# Altium PCB XInC2 Dev - PCB v2.0 20210410.PcbDoc (part 1 of 2) (continued)
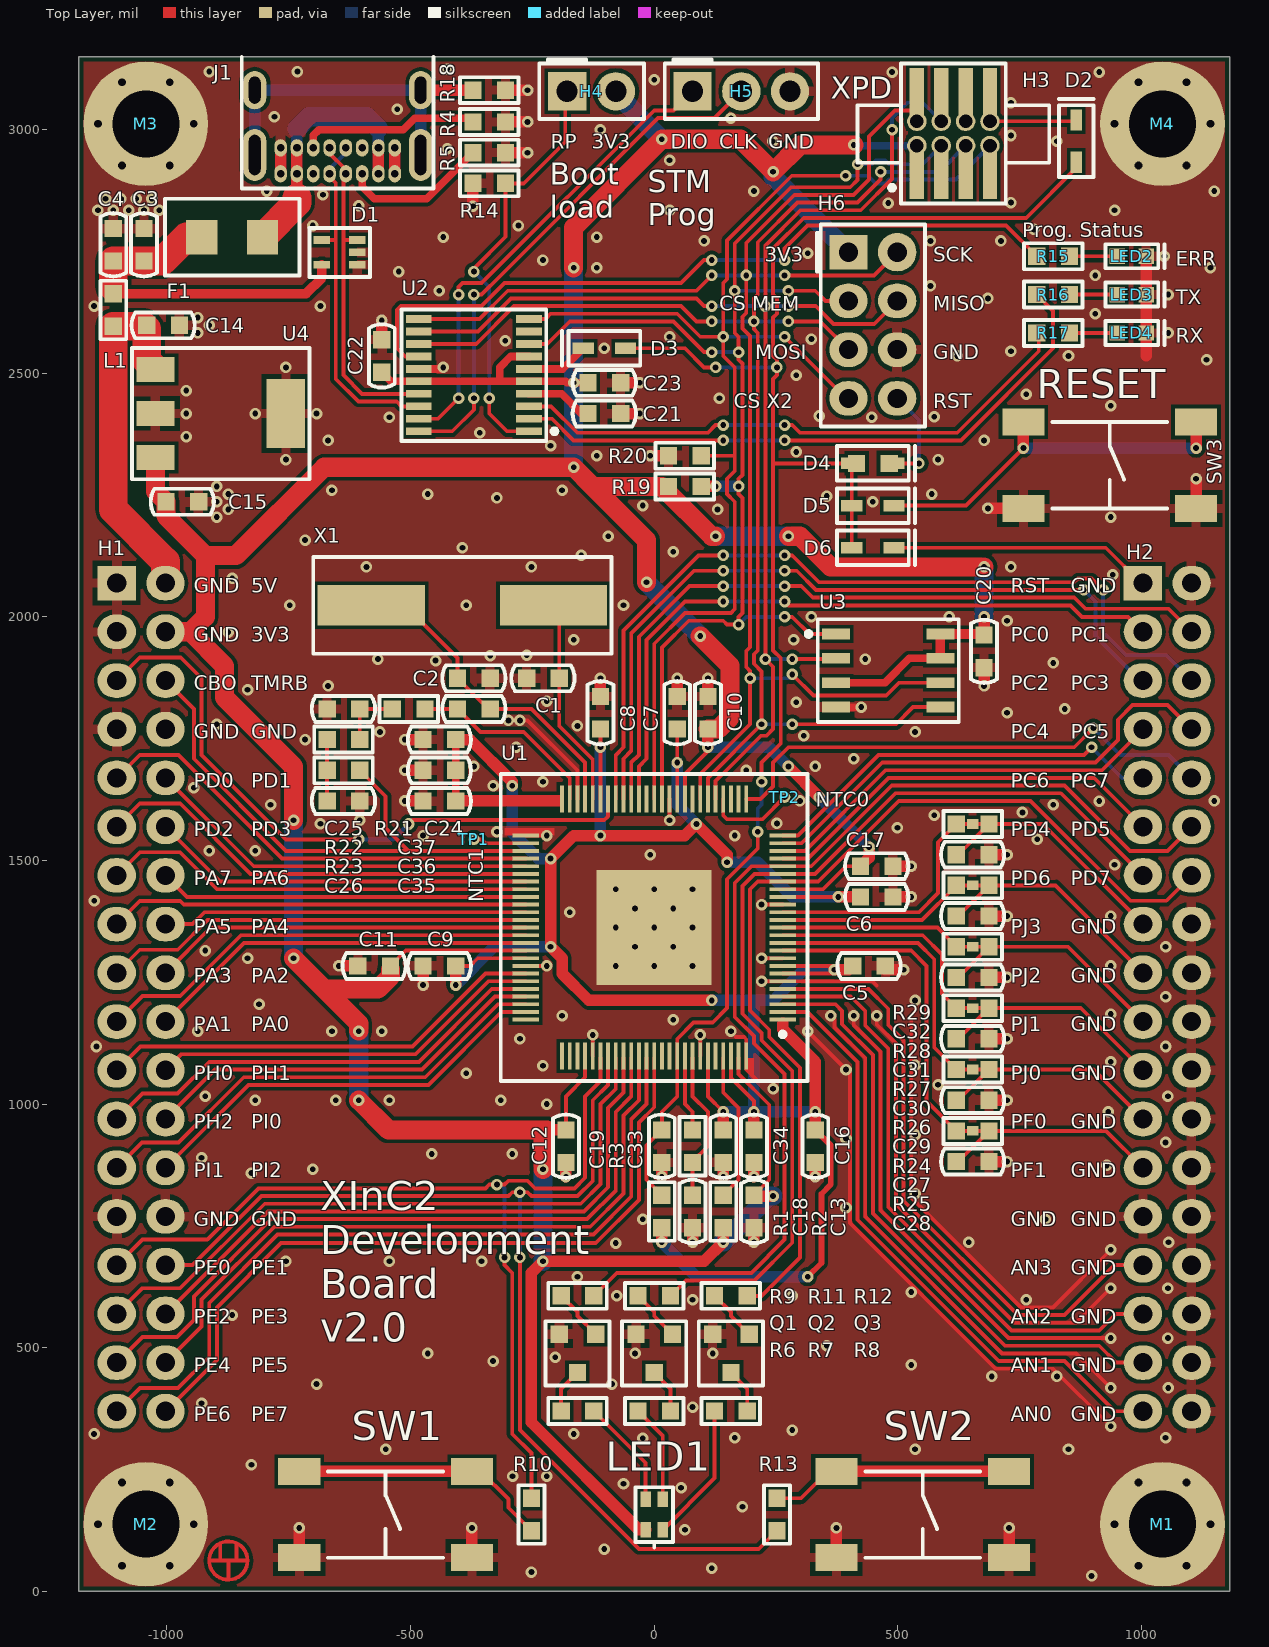
[diagram p0: Top Layer view]
## Footprints (in the part's own frame and the unit in brackets; to place one, negate y for a bottom-side part, rotate by r counter-clockwise, add the part's x,y. Pads: shape width x height; smd on the part's side, far side on the other; paste and mask are expansions set on the pad) (continued)

## Part data
C1: library part "C - 0603 - 33pF - 16V_1", "CAP CER 33PF 50V C0G/NPO 0603", Op Temp="-55°C ~ 125°C", Package=0603, Temp Coeff=NP0, Tolerance=±5%, Voltage - Rated=50V, Composition=Ceramic, Digi-Key PN=311-1064-1-ND, Height="0.9 mm", MFG=Yageo, MFG PN=CC0603JRNPO9BN330, Mounting Type="Surface Mount, MLCC", Price/1 @10=$0.058, Series=CC
C2: library part "C - 0603 - 8.2pF - 50V", "CAP CER 8.2PF 50V NPO 0603", Op Temp="-55°C ~ 125°C", Package=0603, Temp Coeff=NP0, Tolerance=±0.25pF, Voltage - Rated=50V, Composition=Ceramic, Digi-Key PN=311-3865-1-ND, Height=0.90mm, MFG=Yageo, MFG PN=CC0603CRNPO9BN8R2, Mounting Type="Surface Mount, MLCC", Price/1 @10=$0.084, Series=CC
C3 C22: library part "C - 0603 - 10nF - 50V", "CAP CER 10000PF 50V X7R 0603", Op Temp="-55°C ~ 125°C", Package=0603, Temp Coeff=X7R, Tolerance=±5%, Voltage - Rated=50V, Composition=Ceramic, Digi-Key PN=311-1778-1-ND, Height=0.90mm, MFG=Yageo, MFG PN=CC0603JRX7R9BB103, Mounting Type="Surface Mount, MLCC", Price/1 @10=$0.072, Series=CC, Size="1.60mm x 0.80mm"
C4 C5 C6 C7 C8 C9 C10 C11 C12 C13 C16 C17 C19 C20 C21 C23 C33 C34 C36: library part "C - 0603 - 100nF - 16V", "CAP CER 0.1UF 16V X7R 0603", Op Temp="-55°C ~ 125°C", Package=0603, Temp Coeff=X7R, Tolerance=±10%, Voltage - Rated=16V, Composition=Ceramic, Digi-Key PN=311-1088-1-ND, Height="0.9 mm", MFG=Yageo, MFG PN=CC0603KRX7R7BB104, Mounting Type="Surface Mount, MLCC", Price/1 @10=$0.064, Series=CC
C14 C15: library part "C - 0603 - 4.7uF - 10V", "CAP CER 4.7UF 10V X5R 0603", Op Temp="-55°C ~ 85°C", Package=0603, Temp Coeff=X5R, Tolerance=±20%, Voltage - Rated=10V, Composition=Ceramic, Digi-Key PN=311-1820-1-ND, Height=0.90mm, MFG=Yageo, MFG PN=CC0603MRX5R6BB475, Mounting Type="Surface Mount, MLCC", Price/1 @10=$0.172, Series=CC
C18: library part "C - 0603 - 680pF - 50V", "CAP CER 680PF 50V X7R 0603", Op Temp="-55°C ~ 125°C", Package=0603, Temp Coeff=X7R, Tolerance=±10%, Voltage - Rated=50V, Composition=ceramic, Digi-Key PN=311-1188-1-ND, Height=0.90mm, MFG=Yageo, MFG PN=CC0603KRX7R9BB681, Mounting Type="Surface Mount, MLCC", Price/1 @10=$0.062, Series=CC
C24 C25 C26 C27 C28 C29 C30 C31 C32 C35 C37: library part "C - 0603 - DNP", "DNP C 0603", Package=0603, Digi-Key PN=-, MFG=-, MFG PN=-, Mounting Type=SMT
D1: library part "TVS - USB - RCLAMP0503F", "TVS DIODE 5V 25V SC70-5", Capacitance @ Frequency="3pF @ 1MHz", Current - Peak Pulse (10/1000µs)="6A (8/20µs)", Op Temp="-55°C ~ 125°C (TJ)", Package="5-TSSOP, SC-70-5, SOT-353", Power - Peak Pulse=150W, Power Line Protection=Yes, Voltage - Breakdown (Min)=6V, Voltage - Clamping (Max) @ Ipp=25V, Voltage - Reverse Standoff (Typ)="5V (Max)", Applications="USB OTG", ComponentLink1Description=Datasheet, ComponentLink1URL="E:\!Projects\50. XInC2 Dev 2\git\Datasheets\Semtech - RClamp0503F.pdf", ComponentLink2Description="Online Datasheet", ComponentLink2URL=https://semtech.my.salesforce.com/sfc/p/#E0000000JelG/a/44000000MCna/gSoiWcGuNPdCJXQ9MiJb.gsVfITyRqZHeVmym5XjXO8, Digi-Key PN=RCLAMP0503F.TCTCT-ND, MFG="Semtech Corp", MFG PN=RCLAMP0503F.TCT, Mounting Type="Surface Mount", Series=RailClamp, Type="Steering (Rail to Rail)", Unidirectional Channels=3
D2 D3 D4 D5 D6: library part "D - BAT46JFILM", "DIODE SCHOTTKY 100V 150MA SOD323", Capacitance @ Vr, F="10pF @ 0V, 1MHz", Current - Average Rectified (Io)="150mA (DC)", Current - Reverse Leakage @ Vr="5µA @ 75V", Op Temp="150°C (Max)", Package=SOD-323, Voltage - DC Reverse (Vr) (Max)=100V, Voltage - Forward (Vf) (Max) @ If="450mV @ 10mA", ComponentLink1Description=Datasheet, ComponentLink1URL="E:\!Projects\50. XInC2 Dev 2\git\Datasheets\ST - BAT46.pdf", ComponentLink2Description="Online Datasheet", ComponentLink2URL=https://www.st.com/content/ccc/resource/technical/document/datasheet/c6/32/d4/4a/28/d3/4b/11/CD00004930.pdf/files/CD00004930.pdf/jcr:content/translations/en.CD00004930.pdf, Digi-Key PN=497-6653-1-ND, Diode Type=Schottky, MFG=ST, MFG PN=BAT46JFILM, Mounting Type="Surface Mount", Price/1 @10=$0.231, Series=-, Speed="Small Signal =< 200mA (Io), Any Speed"
F1: library part "Fuse - 1.5A slow", "FUSE 1.5A 63VAC/DC SLOW 1206", Breaking Capacity @ Rated Voltage=50A, Current Rating (Amps)=1.5A, DC Cold Resistance="0.205 Ohms", Op Temp="-55°C ~ 125°C", Package=1206, Voltage Rating - AC=63V, Approval Agency="AEC-Q200, CE, cURus", ComponentLink1Description=Datasheet, ComponentLink1URL="E:\!Projects\50. XInC2 Dev 2\git\Datasheets\Bel Fuse - Type C1T.pdf", ComponentLink2Description="Online Datasheet", ComponentLink2URL=https://belfuse.com/resources/datasheets/circuitprotection/ds-cp-c1t-series.pdf, Digi-Key PN=507-1893-1-ND, Fuse Type="Board Mount (Cartridge Style Excluded)", Melting I²t=0.23, MFG="Bel Fuse Inc.", MFG PN=0685T1500-01, Mounting Type="Surface Mount", Price/1 @10=$0.342, Response Time="Slow Blow", Series=C1T, Voltage Rating - DC=63V
H1 H2: library part "H - 100mil - Stack - 2x18", "CONN RCPT 36POS 0.1 TIN PCB", Current Rating (Amps)="6.3A per Contact", Insulation Color=Black, Material Flammability Rating="UL94 V-0", Op Temp="-55°C ~ 105°C", Voltage Rating=550VAC, ComponentLink1Description=Datasheet, ComponentLink1URL="E:\!Projects\50. XInC2 Dev 2\git\Datasheets\Samtec - SSQ Series Headers.pdf", ComponentLink2Description="Online Datasheet", ComponentLink2URL=http://suddendocs.samtec.com/catalog_english/ssq_th.pdf, Connector Type=Receptacle, Contact Finish - Mating=Tin, Contact Finish - Post=Tin, Contact Length - Post=10.00mm, Contact Shape=Square, Contact Type=Forked, Digi-Key PN=SAM1204-18-ND, Fastening Type=Push-Pull, Insulation Height=8.51mm, Insulation Material="Liquid Crystal Polymer (LCP)", MFG=Samtec, MFG PN=SSQ-118-03-T-D, Mounting Type="Thorugh Hole", Number of Positions=36, Number of Positions Loaded=All, Number of Rows=2, Pitch - Mating="0.100\"", Price/1 @10=$4.718, Row Spacing - Mating="0.100\"", Series=SSQ, Style="Board to Board or Cable", Termination=Solder
H3: library part "H - XPD - SMT", "CONN HEADER SMD 8POS 1.27MM", Current Rating (Amps)="3.4A per Contact", Insulation Color=Black, Material Flammability Rating="UL94 V-0", Op Temp="-55°C ~ 125°C", ComponentLink1Description=Datasheet, ComponentLink1URL="E:\!Projects\50. XInC2 Dev 2\git\Datasheets\Samtec - FTS series.pdf", ComponentLink2Description="Online Datasheet", ComponentLink2URL=http://suddendocs.samtec.com/catalog_english/fts.pdf, Connector Type="Header, Cuttable", Contact Finish - Mating=Gold, Contact Length - Mating="0.120\"\" (3.05mm)", Contact Shape=Square, Contact Type="Male Pin", Digi-Key PN=SAM1157-04-ND, Fastening Type=Push-Pull, Height=4.32mm, Insulation Height="0.034\"\" (0.86mm)", Insulation Material="Liquid Crystal Polymer (LCP)", MFG="Samtec Inc.", MFG PN=FTS-104-01-L-DV, Mounting Type="Surface Mount", Number of Positions=8, Number of Rows=2, Pitch - Mating="0.050\"\" (1.27mm)", Price/1 @10=$1.616, Row Spacing - Mating="0.050\"\" (1.27mm)", Series=FTS, Shrouding=Unshrouded, Termination=Solder
H4: "CONN HEADER VERT 2POS 2.54MM", Purpose="Bootloader Select"
H5: "CONN HEADER VERT 3POS 2.54MM", Purpose=SWD
J1: library part "Jack - USB C - USB4085", "CONN RCPT USB2.0 TYPEC 16POS", Current Rating (Amps)="0.25A, 1.25A, 3A, 4.25A", Insulation Color=Black, Material Flammability Rating="UL94 V-0", Op Temp="-40°C ~ 85°C", Voltage - Rated=20VDC, ComponentLink1Description=Datasheet, ComponentLink1URL="E:\!Projects\50. XInC2 Dev 2\git\Datasheets\GCT - USB4085.pdf", ComponentLink2Description="Online Datasheet", ComponentLink2URL=https://gct.co/files/drawings/usb4085.pdf, Connector Type="USB-C (USB TYPE-C)", Contact Finish=Gold, Digi-Key PN=2073-USB4085-GF-ACT-ND, Gender=Receptacle, Height=3.46mm, Mating Cycles=10000, MFG=GCT, MFG PN=USB4085-GF-A, Mounting Feature=Horizontal, Mounting Type="Through Hole, Right Angle", Number of Contacts="24 (16+8 Dummy)", Number of Ports=1, Price/1 @10=$1.629, Series=USB4085, Shell/Shielding Material="Steel, Stainless", Shielding=Shielded, Specifications="USB 2.0"
L1: library part "Ferrite - 0603 - 33 ohm", "FERRITE BEAD 33 OHM 0603 1LN", Current Rating (Max)=3A, DC Resistance (DCR) (Max)=25mOhm, Impedance @ Frequency="33 Ohms @ 100MHz", Op Temp="-55°C ~ 85°C", Package=0603, Digi-Key PN=587-1926-1-ND, Filter Type="Power Line", Height=0.95mm, MFG="Taiyo Yuden", MFG PN=BKP1608HS330-T, Mounting Type="Surface Mount", Number of Lines=1, Price/1 @10=$0.10, Series=BK, Size="1.60mm x 0.80mm"
LED1: library part "LED - RGB", "LED RGB CLEAR 4SMD", Current - Test="5mA Red, 5mA Green, 5mA Blue", Lens Color=Colorless, Millicandela Rating=-, Package=0606, Voltage - Forward (Vf) (Typ)="1.8V Red, 2.8V Green, 2.8V Blue", Color=RGB, ComponentLink1Description=Datasheet, ComponentLink1URL="E:\!Projects\50. XInC2 Dev 2\git\Datasheets\Everlight - EAST1616RGBB4.PDF", ComponentLink2Description="Online Datasheet", ComponentLink2URL=https://everlightamericas.com/index.php?controller=attachment&id_attachment=2827, Digi-Key PN=1080-1552-1-ND, Height=0.45mm, Lens Size="1.60mm x 1.10mm", Lens Style="Rectangle with Flat Top", Lens Transparency=Clear, MFG="Everlight Electronics", MFG PN=EAST1616RGBB4, Mounting Type="Surface Mount", Price/1 @10=$0.415, Size="1.60mm L x 1.60mm W", Viewing Angle=120°, Wavelength - Dominant=-, Wavelength - Peak="632nm Red, 518nm Green, 468nm Blue"
LED2: library part "LED - Red", "LED RED CLEAR CHIP SMD", Current - Test=20mA, Lens Color=Colorless, Millicandela Rating=99mcd, Package=0603, Voltage - Forward (Vf) (Typ)=2V, Color=Red, ComponentLink1Description=Datasheet, ComponentLink1URL="E:\!Projects\50. XInC2 Dev 2\git\Datasheets\Lite-On - Red - LTST-C190KRKT.pdf", ComponentLink2Description="Online Datasheet", ComponentLink2URL=https://optoelectronics.liteon.com/upload/download/DS-22-99-0151/LTST-C190KRKT.pdf, Digi-Key PN=160-1436-1-ND, Height=0.90mm, Lens Size="1.10mm x 0.80mm", Lens Style="Rectangle with Flat Top", Lens Transparency=Clear, MFG="Lite-On Inc.", MFG PN=LTST-C190KRKT, Mounting Type="Surface Mount", Price/1 @10=$0.183, Purpose=Error, Size="1.60mm L x 0.80mm W", Viewing Angle=130°, Wavelength - Dominant=631nm, Wavelength - Peak=639nm
LED3: library part "LED - Green", "LED GREEN CLEAR CHIP SMD", Current - Test=20mA, Lens Color=Colorless, Millicandela Rating=35mcd, Package=0603, Voltage - Forward (Vf) (Typ)=2V, Color=Green, ComponentLink1Description=Datasheet, ComponentLink1URL="E:\!Projects\50. XInC2 Dev 2\git\Datasheets\Lite-On - Green - LTST-C190KGKT.pdf", ComponentLink2Description="Online Datasheet", ComponentLink2URL=https://optoelectronics.liteon.com/upload/download/DS22-2000-074/LTST-C190KGKT.PDF, Digi-Key PN=160-1435-1-ND, Height=0.90mm, Lens Size="1.10mm x 0.80mm", Lens Style="Rectangle with Flat Top", Lens Transparency=Clear, MFG="Lite-On Inc.", MFG PN=LTST-C190KGKT, Mounting Type="Surface Mount", Price/1 @10=$0.183, Purpose=TX, Size="1.60mm L x 0.80mm W", Viewing Angle=130°, Wavelength - Dominant=571nm, Wavelength - Peak=574nm
LED4: library part "LED - Blue", "LED BLUE CLEAR CHIP SMD", Current - Test=20mA, Lens Color=Colorless, Millicandela Rating=104mcd, Package=0603, Voltage - Forward (Vf) (Typ)=3.3V, Color=Blue, ComponentLink1Description=Online, ComponentLink1URL="E:\!Projects\50. XInC2 Dev 2\git\Datasheets\Lite-On - Blue - LTST-C190TBKT.PDF", ComponentLink2Description="Online Datasheet", ComponentLink2URL=https://optoelectronics.liteon.com/upload/download/DS-22-99-0224/LTST-C190TBKT.PDF, Digi-Key PN=160-1646-1-ND, Height=0.90mm, Lens Size="1.10mm x 0.80mm", Lens Style="Rectangle with Flat Top", Lens Transparency=Clear, MFG="Lite-On Inc.", MFG PN=LTST-C190TBKT, Mounting Type="Surface Mount", Price/1 @10=$0.378, Purpose=RX, Size="1.60mm L x 0.80mm W", Viewing Angle=130°, Wavelength - Dominant=470nm, Wavelength - Peak=468nm
Q1 Q2 Q3: library part "Q - NPN - MMBT3904", "TRANS NPN 40V 0.2A SOT23", Current - Collector (Ic) (Max)=200mA, Current - Collector Cutoff (Max)="50nA (ICBO)", DC Current Gain (hFE) (Min) @ Ic, Vce="100 @ 10mA, 1V", Frequency - Transition=300MHz, Op Temp="-55°C ~ 150°C (TJ)", Package="SOT-23, TO-236-3, SC-59, SOT-23-3", Power - Max=350mW, Voltage - Collector Emitter Breakdown (Max)=40V, ComponentLink1Description=Datasheet, ComponentLink1URL="E:\!Projects\50. XInC2 Dev 2\git\Datasheets\MCC - MMBT3904.pdf", ComponentLink2Description="Online Datasheet", ComponentLink2URL=https://www.mccsemi.com/pdf/Products/MMBT3904(SOT-23).pdf, Digi-Key PN=MMBT3904TPMSCT-ND, MFG="Micro Commercial", MFG PN=MMBT3904-TP, Mounting Type="Surface Mount", Price/1 @10=$0.087, Transistor Type=NPN, Vce Saturation (Max) @ Ib, Ic="300mV @ 5mA, 50mA"
R1 R19: library part "R - 0603 - 10k", "RES SMD 10K OHM 5% 1/10W 0603", Op Temp="-55°C ~ 155°C", Package=0603, Power=0.1W, Temp Coeff=±100ppm/°C, Tolerance=5%, ComponentLink1Description=Datasheet, ComponentLink1URL="E:\!Projects\50. XInC2 Dev 2\git\Datasheets\Yageo - RC series.pdf", ComponentLink2Description="Online Datasheet", ComponentLink2URL=https://www.yageo.com/upload/media/product/productsearch/datasheet/rchip/PYu-RC_Group_51_RoHS_L_11.pdf, Composition="Thick Film", Digi-Key PN=311-10KGRCT-ND, Height=0.55mm, MFG=Yageo, MFG PN=RC0603JR-0710KL, Mounting Type="Surface Mount", Price/1 @10=$0.017, Series=RC
R2 R3: library part "R - 0603 - 51k", "RES SMD 51K OHM 5% 1/10W 0603", Op Temp="-55°C ~ 155°C", Package=0603, Power=0.1W, Temp Coeff=±100ppm/°C, Tolerance=5%, ComponentLink1Description=Datasheet, ComponentLink1URL="E:\!Projects\50. XInC2 Dev 2\git\Datasheets\Yageo - RC series.pdf", ComponentLink2Description="Online Datasheet", ComponentLink2URL=https://www.yageo.com/upload/media/product/productsearch/datasheet/rchip/PYu-RC_Group_51_RoHS_L_11.pdf, Composition="Thick Film", Digi-Key PN=311-51KGRCT-ND, Height=0.55mm, MFG=Yageo, MFG PN=RC0603JR-0751KL, Mounting Type="Surface Mount", Price/1 @10=$0.025, Series=RC
R4 R5: library part "R - 0603 - 5.1k", "RES SMD 5.1K OHM 5% 1/10W 0603", Op Temp="-55°C ~ 155°C", Package=0603, Power=0.1W, Temp Coeff=±100ppm/°C, Tolerance=5%, ComponentLink1Description=Datasheet, ComponentLink1URL="E:\!Projects\50. XInC2 Dev 2\git\Datasheets\Yageo - RC series.pdf", ComponentLink2Description="Online Datasheet", ComponentLink2URL=https://www.yageo.com/upload/media/product/productsearch/datasheet/rchip/PYu-RC_Group_51_RoHS_L_11.pdf, Composition="Thick Film", Digi-Key PN=311-5.1KGRCT-ND, Height=0.55mm, MFG=Yageo, MFG PN=RC0603JR-075K1L, Mounting Type="Surface Mount", Price/1 @10=$0.02500, Series=RC
R6 R7 R8 R15 R16 R17: library part "R - 0603 - 100R", "RES SMD 100 OHM 5% 1/10W 0603", Op Temp="-55°C ~ 155°C", Package=0603, Power=0.1W, Temp Coeff=±100ppm/°C, Tolerance=5%, ComponentLink1Description=Datasheet, ComponentLink1URL="E:\!Projects\50. XInC2 Dev 2\git\Datasheets\Yageo - RC series.pdf", ComponentLink2Description="Online Datasheet", ComponentLink2URL=https://www.yageo.com/upload/media/product/productsearch/datasheet/rchip/PYu-RC_Group_51_RoHS_L_11.pdf, Composition="Thick Film", Digi-Key PN=311-100GRCT-ND, Height=0.55mm, MFG=Yageo, MFG PN=RC0603JR-07100RL, Mounting Type="Surface Mount", Price/1 @10=$0.02500, Series=RC
R9 R10 R11 R12 R13 R14: library part "R - 0603 - 1k", "RES SMD 1K OHM 5% 1/10W 0603", Op Temp="-55°C ~ 155°C", Package=0603, Power=0.1W, Temp Coeff=±100ppm/°C, Tolerance=5%, ComponentLink1Description=Datasheet, ComponentLink1URL="E:\!Projects\50. XInC2 Dev 2\git\Datasheets\Yageo - RC series.pdf", ComponentLink2Description="Online Datasheet", ComponentLink2URL=https://www.yageo.com/upload/media/product/productsearch/datasheet/rchip/PYu-RC_Group_51_RoHS_L_11.pdf, Composition="Thick Film", Digi-Key PN=311-1.0KGRCT-ND, Height=0.55mm, MFG=Yageo, MFG PN=RC0603JR-071KL, Mounting Type="Surface Mount", Price/1 @10=$0.02500, Series=RC
R18: library part "Jumper - 0603", "RES SMD 0 OHM JUMPER 1/10W 0603", Op Temp="-55°C ~ 155°C", Package=0603, Power=0.1W, Temp Coeff=-, Tolerance=Jumper, Composition="Thick Film", Digi-Key PN=311-0.0GRCT-ND, Height=0.55mm, MFG=Yageo, MFG PN=RC0603JR-070RL, Mounting Type="Surface Mount", Price/1 @10=$0.025, Series=RC
R20: library part "R - 0603 - 100k", "RES SMD 100K OHM 5% 1/10W 0603", Op Temp="-55°C ~ 155°C", Package=0603, Power=0.1W, Temp Coeff=±100ppm/°C, Tolerance=5%, ComponentLink1Description=Datasheet, ComponentLink1URL="E:\!Projects\50. XInC2 Dev 2\git\Datasheets\Yageo - RC series.pdf", ComponentLink2Description="Online Datasheet", ComponentLink2URL=https://www.yageo.com/upload/media/product/productsearch/datasheet/rchip/PYu-RC_Group_51_RoHS_L_11.pdf, Composition="Thick Film", Digi-Key PN=311-100KGRCT-ND, Height=0.55mm, MFG=Yageo, MFG PN=RC0603JR-07100KL, Mounting Type="Surface Mount", Price/1 @10=$0.025, Series=RC
R21 R22 R23: library part "R - 0603 - DNP", "DNP R 0603", Package=0603, Digi-Key PN=-, MFG=-, MFG PN=-, Mounting Type=SMT
R24 R25 R26 R27 R28 R29: library part "Jumper - 0603 - Shorted", "DNP: 0603 Resistor with the pads shorted", Op Temp="-55°C ~ 155°C", Package=0603, Power=0.1W, Temp Coeff=-, Tolerance=Jumper, Composition="Thick Film", Digi-Key PN=311-0.0GRCT-ND, Height=0.55mm, MFG=Yageo, MFG PN=RC0603JR-070RL, Mounting Type="Surface Mount", Price/1 @10=$0.025, Series=RC
SW1 SW2 SW3: library part "SW - Tactile - HP0315AFKP2-R", "SWITCH TACTILE SPST-NO 3VA 28V", Contact Rating @ Voltage="3VA @ 28VDC", Operating Force=160gf, Op Temp="-20°C ~ 70°C", Actuator Height off PCB, Vertical=4.40mm, Actuator Material="Polyamide (PA), Nylon, Glass Filled", Actuator Orientation="Top Actuated", Actuator Type=Standard, Circuit=SPST-NO, ComponentLink1Description=Datasheet, ComponentLink1URL="E:\!Projects\50. XInC2 Dev 2\git\Datasheets\NKK Switches - HP03 Switches.pdf", ComponentLink2Description="Online Datasheet", ComponentLink2URL=https://www.nkkswitches.com/pdf/HP03-2.pdf, Digi-Key PN=360-2595-1-ND, Features="Sealed - Flux Protection", Illumination=Non-Illuminated, Mechanical Life="500,000 Cycles", MFG="NKK Switches", MFG PN=HP0315AFKP2-R, Mounting Type="Surface Mount", Outline="6.20mm x 6.20mm", Price/1 @10=$0.78, Series=HP03, Switch Function=Off-Mom, Switch Travel=0.20mm, Termination Style="Gull Wing"
  SW1: Purpose="User SW 1"
  SW2: Purpose="User SW 2"
  SW3: Purpose=Reset
TP1 TP2: library part "TP - TH - 0.6 mm"
U1: library part "uC - XInC2 - LQFP", "XInC2 Multi-Threaded µC LQFP", Digi-Key PN=N/A, MFG="Eleven Engineering", MFG PN=XC1201-R3003
U2: library part "uC - STM32F042F4P6", "IC MCU 32BIT 16KB FLASH 20TSSOP", Op Temp="-40°C ~ 85°C (TA)", Package="20-TSSOP (0.173\"\", 4.40mm Width)", Voltage - Supply (Vcc/Vdd)="1.65V ~ 3.6V", ComponentLink1Description=Datasheet, ComponentLink1URL="E:\!Projects\50. XInC2 Dev 2\git\Datasheets\ST - STM32F042F4P6.pdf", ComponentLink2Description="Online Datasheet", ComponentLink2URL=https://www.st.com/content/ccc/resource/technical/document/datasheet/52/ad/d0/80/e6/be/40/ad/DM00105814.pdf/files/DM00105814.pdf/jcr:content/translations/en.DM00105814.pdf, Connectivity="CANbus, HDMI-CEC, I²C, IrDA, LINbus, SPI, UART/USART, USB", Core Processor="ARM® Cortex®-M0", Core Size=32-Bit, Data Converters="A/D 12x12b", Digi-Key PN=497-17343-ND, Height="1.2 mm", MFG=ST, MFG PN=STM32F042F4P6, Mounting Type="Surface Mount", Number of I/O=16, Peripherals="DMA, I²S, POR, PWM, WDT", Price/1 @10=$3.667, Program Memory Size="16KB (16K x 8)", Program Memory Type=FLASH, RAM Size="6K x 8", Series=STM32F0, Speed=48MHz
U3: library part "Mem - Flash - 2 MBit - W25Q20CL", "IC FLASH 2MBIT SPI 104MHZ 8SOIC", Clock Frequency=104MHz, Op Temp="-40°C ~ 85°C (TA)", Package="8-SOIC (0.154\"\", 3.90mm Width)", Voltage - Supply="2.3V ~ 3.6V", ComponentLink1Description=Datasheet, ComponentLink1URL="E:\!Projects\50. XInC2 Dev 2\git\Datasheets\Winbond - W25Q20CLA.pdf", ComponentLink2Description="Online Datasheet", ComponentLink2URL=https://www.winbond.com/resource-files/da00-w25q20cla1.pdf, Digi-Key PN=W25Q20CLSNIG-ND, Memory Interface=SPI, Memory Size="2Mb (256K x 8)", Memory Type=Non-Volatile, MFG="Winbond Electronics", MFG PN=W25Q20CLSNIG, Mounting Type="Surface Mount", Price/1 @10=$0.497, Series=SpiFlash, Technology="FLASH - NOR", Write Cycle Time - Word, Page=800µs
U4: library part "Reg - Lin - 3.3V - AP2114", "IC REG LINEAR 3.3V 1A SOT223", Current - Output=1A, Current - Quiescent (Iq)=90µA, Op Temp="-40°C ~ 85°C", Package="TO-261-4, TO-261AA, SOT-223", Voltage - Input (Max)=6V, Voltage - Output (Max)=-, Voltage - Output (Min/Fixed)=3.3V, Voltage Dropout (Max)="0.75V @ 1A", ComponentLink1Description=Datasheet, ComponentLink1URL="E:\!Projects\50. XInC2 Dev 2\git\Datasheets\BCD - AP2114.pdf", ComponentLink2Description="Online Datasheet", ComponentLink2URL=https://www.diodes.com/assets/Datasheets/AP2114.pdf, Digi-Key PN=AP2114HA-3.3TRG1DICT-ND, Height="1.8 mm", MFG="Diodes Inc", MFG PN=AP2114HA-3.3TRG1, Mounting Type="Surface Mount", Number of Regulators=1, Output Configuration=Positive, Output Type=Fixed, Price/1 @10=$0.444, Protection Features="Over Current, Over Temperature", PSRR="65dB (100Hz ~ 1kHz)"
X1: library part "X - 20 MHz - HJ24.576", "CRYSTAL 24.576MHZ SMD", Frequency Stability="±10PPM Max. / -20°C~+70°C", Frequency Tolerance=±10PPM, Load Capacitance=20pF, Operating Mode="Fund (AT Cut)", Op Temp="-20°C - +70°C", Package=HC-49, ComponentLink1Description=Datasheet, ComponentLink1URL="E:\!Projects\50. XInC2 Dev 2\git\Datasheets\Huijing - 49SMD 24.576MHz.pdf", Digi-Key PN=N/A, ESR="50O Max./Series", Frequency=24.576MHz, Height=4mm, MFG=Huijing, MFG PN=N/A, Mounting Type="Surface Mount", Price/1 @10=-, Series=-, Type="MHz Crystal"
H6: Purpose="XPD Monitor"

## Via types
v1: diameter 23.62, hole 11.81, Top Layer to Bottom Layer, tented both sides, 446 vias

## Nets (pads, with @x,y where several pads share a name; then routed paths per layer and width w, separated by ;. In a path a pad name is that pad's centre, name@x,y a point inside that pad or via, vN(x,y) a via of type N, cw(c..) or ccw(c..) an arc to the next point about the centre after c; other vN are vias at no path point)
1V8: C5.1 C6.1 C7.1 C8.1 C9.1 C16.1 C33.1 C34.1 C35.1 C36.1 C37.1 R1.2 U1.1 U1.7 U1.8 U1.17 U1.35 U1.45 U1.50 U1.67 U1.95 U1.98 | length 5360.6
  Top Layer w7.87: C9.1@-407.48,1283.46 -377.95,1283.46 -362.2,1299.21 U1.67@-263.78,1299.21 ; U1.45@-110.24,1625.98 v1(-110.24,1732.28) C8.1@-110.24,1769.69 ; U1.35@47.24,1625.98 v1(47.24,1700.79) C7.1@47.24,1769.69 ; U1.95@110.24,1094.49 110.24,1015.75 v1(141.73,984.25) ; C33.1@141.73,954.72 C33.1@147.64,948.82 ; U1.98@157.48,1094.49 157.48,1053.15 204.72,1005.91 v1(204.72,984.25) ; C34.1@204.72,960.63 C34.1@216.54,948.82 ; U1.7@263.78,1267.72 v1@370.08,1267.72 ; U1.8@263.78,1283.46 v1@370.08,1283.46 ; U1.17@263.78,1425.2 v1(377.95,1425.2)
  Top Layer w11.81: v1(314.96,645.67) 343.2,673.91 343.2,815.64 362.2,834.65 362.2,915.35 C16.1@330.71,946.85
  Top Layer w15.75: C35.1@-407.48,1622.05 C36.1@-407.48,1685.04 C37.1@-407.48,1748.03
  Top Layer w23.62: v1(-407.48,1244.09) C9.1@-407.48,1283.46 ; C35.1@-407.48,1622.05 -196.85,1622.05 ; C37.1@-407.48,1748.03 -377.95,1748.03 -291.34,1661.42 v1(-291.34,1653.54) ; v1(15.75,716.54) R1.2@15.75,746.06 ; v1(118.11,1212.6) -133.86,1212.6 -188.98,1267.72 -188.98,1299.21 v1(-212.6,1322.83) v1(-212.6,1503.94) -165.35,1551.18 v1(-110.24,1551.18) 62.99,1551.18 v1(86.61,1574.8) 149.61,1511.81 v1(149.61,1496.06) ; C33.1@141.73,954.72 v1(141.73,984.25) ; C34.1@204.72,960.63 v1(204.72,984.25) ; 263.78,1165.35 263.78,1153.54 330.71,1086.61 v1(330.71,984.25) C16.1@330.71,946.85 ; v1(370.08,1275.59) 399.61,1275.59 C5.1@403.54,1279.53 ; v1(377.95,1425.2) C6.1@423.23,1425.2
  Bottom Layer w23.62: v1(-407.48,1244.09) -328.74,1322.83 v1(-212.6,1322.83) ; v1(-291.34,1653.54) -291.34,1557.09 -238.19,1503.94 v1(-212.6,1503.94) ; v1(-110.24,1551.18) v1(-110.24,1732.28) ; v1(15.75,716.54) 86.61,645.67 v1(314.96,645.67) ; v1(47.24,1700.79) 47.24,1614.17 v1(86.61,1574.8) ; v1(118.11,1212.6) 204.72,1212.6 ; v1(141.73,984.25) v1(204.72,984.25) ; v1(149.61,1496.06) 212.6,1496.06 283.46,1425.2 v1(377.95,1425.2) ; v1(330.71,984.25) v1(204.72,984.25) ; v1(370.08,1275.59) 307.09,1275.59 244.09,1212.6 204.72,1212.6 ; v1(204.72,984.25) 204.72,1212.6
3V3: C10.1 C11.1 C12.1 C13.1 C15.1 C17.1 C20.1 C22.1 C23.1 H1.4 H3.1 H4.2 H6.1 LED1.4 R2.2 R19.2 U1.18 U1.34 U1.66 U1.79 U1.99 U2.5 U2.7 U2.16 U3.3 U3.7 U3.8 U4.3 | length 10436.3
  Top Layer w7.87: C11.1@-541.34,1283.46 -509.84,1314.96 U1.66@-263.78,1314.96 ; C12.1@-181.1,946.85 -181.1,1015.75 -141.73,1055.12 U1.79@-141.73,1094.49 ; U1.34@62.99,1625.98 62.99,1677.17 110.24,1724.41 v1(110.24,1732.28) ; U1.99@173.23,1094.49 173.23,1061.64 236.22,998.65 236.22,844.49 C13.1@204.72,812.99 ; U1.18@263.78,1440.94 346.46,1440.94 393.65,1488.14 C17.1@423.23,1488.19 C17.1@423.23,1488.19 ; C20.1@675,1964.76 C20.1@677.17,1962.6
  Top Layer w15.75: C22.1@-559.06,2501.97 -540.35,2483.27 U2.16@-483.27,2483.27 -316.93,2483.27 ; U2.7@-256.89,2534.45 -294.29,2534.45 -316.93,2511.81 -316.93,2483.27 ; C23.1@-135.83,2480.31 -179.19,2480.31 -182.14,2483.27 U2.5@-256.89,2483.27 -316.93,2483.27 ; U3.3@373.07,1864.76 473.82,1864.76 523.82,1914.76 U3.7@587.57,1914.76
  Top Layer w19.68: U3.7@587.57,1914.76 U3.8@587.57,1964.76 C20.1@675,1964.76
  Top Layer w23.62: -220.47,946.85 C12.1@-181.1,946.85 ; LED1.4@-17.72,125.98 -31.5,125.98 -251.97,346.46 -251.97,653.54 v1(-228.35,677.17) 102.36,677.17 v1(141.73,716.54) R2.2@141.73,746.06 ; v1(110.24,1732.28) C10.1@110.24,1769.69 ; C13.1@204.72,812.99 206.69,811.02 v1(244.09,811.02) ; v1(275.59,1692.91) v1(338.58,1629.92) ; C17.1@423.23,1488.19 440.94,1505.91 v1(440.94,1527.56) ; C20.1@677.17,1962.6 v1(677.17,2000)
  Top Layer w39.37: U4.3@-1023.62,2326.77 -1023.62,2257.87 C15.1@-1001.97,2236.22 -1001.97,2206.69 -921.26,2125.98 ; H1.4@-1003.15,1969.29 -951.97,1969.29 ; v1(-740.16,1299.21) -677.17,1236.22 ; v1(-740.16,1582.68) -740.16,1692.91 -881.89,1834.65 -881.89,1899.21 -951.97,1969.29 ; v1(-606.3,1007.87) -545.28,946.85 -220.47,946.85 -228.35,938.98 v1(-228.35,866.14) ; v1(-606.3,1149.61) -606.3,1165.35 -677.17,1236.22 ; C11.1@-541.34,1275.59 -541.34,1261.81 -566.93,1236.22 -677.17,1236.22 ; v1(-165.35,2716.54) -165.35,2799.21 v1(15.75,2980.31) 177.17,2980.31 v1(244.09,2913.39) 299.21,2968.5 v1(409.45,2968.5) ; v1(-15.75,2070.87) -15.75,2157.48 -125.98,2267.72 ; v1(94.49,1960.63) 155.51,1899.61 155.51,1793.31 131.89,1769.69 C10.1@110.24,1769.69 ; v1(125.98,2165.35) 118.11,2165.35 15.75,2267.72 -125.98,2267.72 ; v1(275.59,2165.35) 299.21,2165.35 362.2,2102.36 v1(677.17,2102.36) ; -951.97,1969.29 -921.26,2000 -921.26,2125.98 ; -921.26,2125.98 -858.27,2125.98 -677.17,2307.09 v1(-165.35,2307.09) -125.98,2267.72
  Bottom Layer w15.75: v1(409.45,2968.5) 410.83,2967.13 H3.1@539.17,2967.13
  Bottom Layer w23.62: v1(110.24,1732.28) 236.22,1732.28 v1(275.59,1692.91) ; v1(338.58,1629.92) v1(440.94,1527.56)
  Bottom Layer w39.37: v1(-740.16,1299.21) v1(-740.16,1582.68) ; v1(-606.3,1007.87) v1(-606.3,1149.61) ; v1(-228.35,677.17) v1(-228.35,866.14) ; v1(-165.35,2307.09) v1(-165.35,2480.31) v1(-165.35,2716.54) ; H4.2@-82.68,3078.74 v1(15.75,2980.31) ; v1(-15.75,2070.87) v1(94.49,1960.63) ; v1(125.98,2165.35) v1(275.59,2165.35) ; v1(141.73,716.54) 236.22,811.02 v1(244.09,811.02) ; v1(244.09,2913.39) 244.09,2903.15 H6.1@398.82,2748.43 ; v1(677.17,2000) v1(677.17,2102.36)
5V: C14.1 H1.2 L1.2 U4.1 | length 724.5
  Top Layer w59.06: U4.1@-1029.53,2513.78 -1041.34,2525.59 -1041.34,2590.55 -1047.24,2596.46 L1.2@-1110.24,2596.46 -1110.24,2220.47 -1003.15,2113.39 H1.2@-1003.15,2069.29
AN0: H2.35 U1.2 | length 1268.8
  Top Layer w7.87: U1.2@263.78,1188.98 314.96,1188.98 417.32,1086.61 417.32,762.43 707.31,472.44 842.52,472.44 945.67,369.29 H2.35@1003.15,369.29
AN1: H2.33 U1.3 | length 1250.4
  Top Layer w7.87: U1.3@263.78,1204.72 371.99,1204.72 385.83,1190.89 385.83,1163.89 448.82,1100.9 448.82,775.47 720.36,503.94 913.39,503.94 948.03,469.29 H2.33@1003.15,469.29
AN2: H2.31 U1.4 | length 1245.2
  Top Layer w7.87: U1.4@263.78,1220.47 403.49,1220.47 433.07,1190.89 433.07,1161.19 480.32,1113.94 480.32,788.52 733.4,535.43 913.39,535.43 947.24,569.29 H2.31@1003.15,569.29
AN3: H2.29 U1.5 | length 1271.3
  Top Layer w7.87: U1.5@263.78,1236.22 439.59,1236.22 480.32,1195.5 480.32,1162.09 511.81,1130.59 511.81,801.57 746.45,566.93 842.52,566.93 944.88,669.29 H2.29@1003.15,669.29
CBO: H1.5 U1.44 | length 1330.1
  Top Layer w7.87: H1.5@-1103.15,1869.29 -1055.91,1916.54 -971.65,1916.54 -929.13,1874.02 -929.13,1716.54 -755.91,1543.31 v1(-606.3,1543.31) ; v1(-503.94,1574.8) -496.06,1582.68 -102.36,1582.68 -94.49,1590.55 U1.44@-94.49,1625.98
  Bottom Layer w7.87: v1(-606.3,1543.31) -535.43,1543.31 v1(-503.94,1574.8)